# Altium PCB IPG.PcbDoc (part 7 of 10)
Units mm, origin at the board's own origin, x right, y up, seen from the top; angles counter-clockwise.
Board outline 69.6 x 90.73 mm, 10 copper layers (TOP, DHOR, DVERT, GND 1, POWER, GND 2, GND 3, AVERT, AHOR, BOT), stack 1.062 mm thick; 727 components, 391 nets, 2009 pads, 3077 vias.
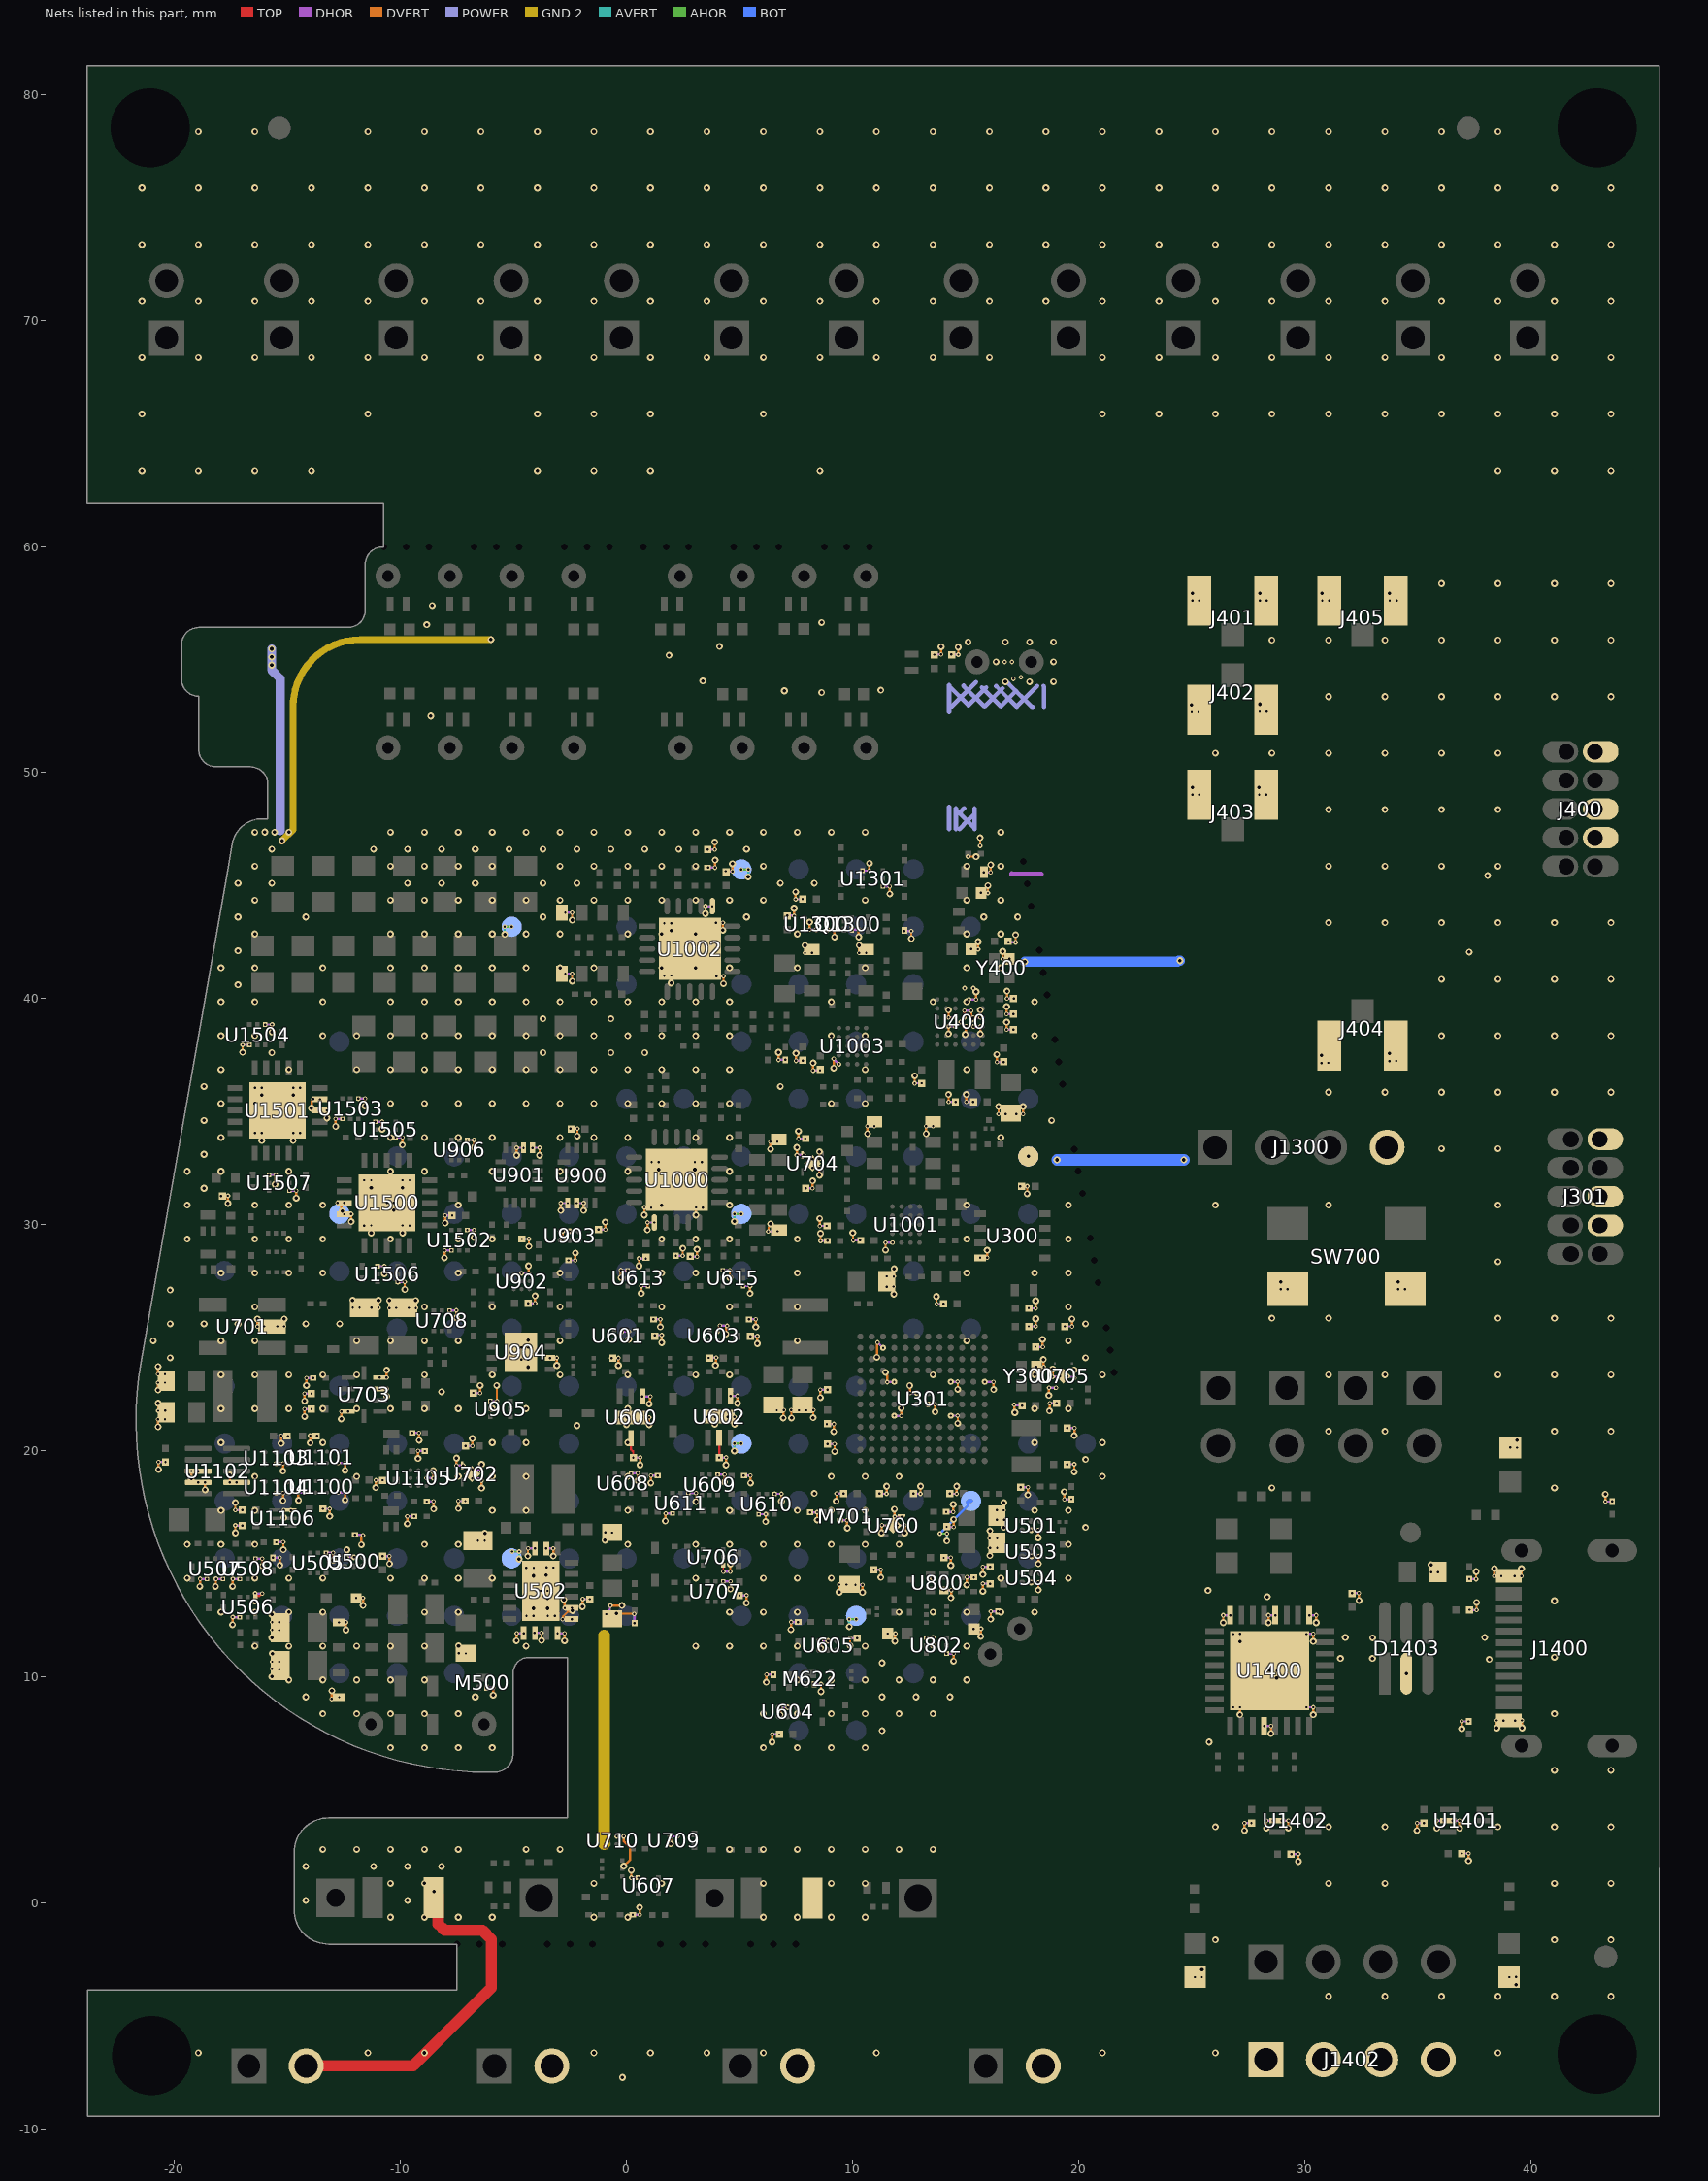
[diagram p15: the nets of this part, all layers, seen from the top]

## Via types
v1: diameter 0.203, hole 0.102, TOP to DHOR, tented top, 723 vias
v2: diameter 0.203, hole 0.102, DHOR to DVERT, tented top, 643 vias
v3: diameter 0.305/0.305/0/0.305/0.305/0.305 (per signal layer), hole 0.152, DVERT to AVERT, tented top, 439 vias
v4: diameter 0.305/0.305/0/0.305/0.305/0.305 (per signal layer), hole 0.152, DVERT to AVERT, 388 vias
v5: diameter 0.305, hole 0.152, TOP to BOT, 265 vias
v6: diameter 0.305/0.305/0.305/0.305/0/0.305/0.305/0.305/0.305/0.305 (per signal layer), hole 0.152, TOP to BOT, tented both sides, 133 vias
v7: diameter 0.305/0.305/0.305/0.305/0.305/0.305 (per signal layer), hole 0.152, DVERT to AVERT, tented top, 106 vias
v8: diameter 0.203, hole 0.102, AVERT to AHOR, tented top, 100 vias
v9: diameter 0.305, hole 0.152, TOP to BOT, tented both sides, 83 vias
v10: diameter 0.305/0/0/0.305/0/0.305/0.305/0/0/0.305 (per signal layer), hole 0.152, TOP to BOT, tented both sides, 67 vias
v11: diameter 0.305/0.305/0.305/0.305/0.305/0.305/0.305/0.305/0.305/0.305 (per signal layer), hole 0.152, TOP to BOT, tented both sides, 64 vias
v12: diameter 0.203, hole 0.102, AHOR to BOT, tented both sides, 31 vias
v13: diameter 0.203/0.203 (per signal layer), hole 0.102, DHOR to DVERT, tented top, 9 vias
v14: diameter 0.203/0.203 (per signal layer), hole 0.102, TOP to DHOR, tented top, 9 vias
v15: diameter 0.203, hole 0.102, DHOR to DVERT, tented both sides, 8 vias
v16: diameter 0.203, hole 0.102, TOP to DHOR, tented both sides, 4 vias
v17: diameter 0.305/0.305/0.305/0.305/0.305/0.305 (per signal layer), hole 0.152, DVERT to AVERT, 2 vias
v18: diameter 0.305, hole 0.152, DVERT to AVERT, tented top, 2 vias
v19: diameter 0.305/0/0/0.305/0.305/0.305/0.305/0/0/0.305 (per signal layer), hole 0.152, TOP to BOT, tented both sides, 1 vias

## Nets (pads, with @x,y where several pads share a name; then routed paths per layer and width w, separated by ;. In a path a pad name is that pad's centre, name@x,y a point inside that pad or via, vN(x,y) a via of type N, cw(c..) or ccw(c..) an arc to the next point about the centre after c; other vN are vias at no path point) (continued)
GND: C300.1 C301.2 C302.1 C303.2 C304.1 C305.1 C306.1 C307.1 C308.1 C309.1 C310.1 C311.1 C312.1 C313.2 C314.2 C315.1 C316.1 C317.2 C318.1 C319.2 C320.1 C400.2 C401.1 C402.1 C403.2 C404.1 C405.2 C406.1 C407.1 C408.1 C409.1 C410.2 C504.1 C505.1 C508.2 C509.2 C510.1 C511.1 C512.2 C514.1 C515.1 C516.1 C517.1 C600.2 C601.1 C602.1 C603.2 C604.1 C605.1 C606.1 C607.1 C700.1 C701.2 C702.2 C703.2 C704.2 C705.2 C706.1 C707.1 C708.1 C709.1 C710.1 C711.1 C712.1 C713.1 C714.1 C800.2 C801.1 C802.1 C900.1 C901.1 C902.1 C903.1 C906.1 C1003.1 C1004.1 C1005.1 C1006.1 C1018.2 C1019.1 C1020.1 C1021.2 C1100.1 C1102.1 C1109.1 C1112.1 C1114.1 C1115.1 C1117.1 C1200.1 C1215.1 C1300.1 C1302.1 C1400.2 C1401.1 C1402.1 C1404.2 C1405.1 C1406.1 C1407.1 C1500.1 C1501.1 D502.2 D503.2 D504.2 D1004.2 D1005.2 D1006.2 D1007.2 D1012.2 D1013.2 D1014.2 D1015.2 D1400.K D1401.K D1402.K D1403.2 F600.2 F601.2 J301.3 J301.5 J301.9 J400.3 J400.5 J400.9 J401.2 J401.3 J402.2 J402.3 J403.2 J403.3 J404.2 J404.3 J405.2 J405.3 J504.2 J505.2 J602.2 J605.2 J1300.4 J1400.A1 J1400.A12 J1402.1 J1402.2 J1402.3 J1402.4 L401.1 M500.2 M622.2 M701.2 Q1300.2 R301.1 R508.1 R511.2 R512.2 R517.2 R520.2 R523.2 R604.2 R610.1 R617.2 R622.1 R624.1 R627.2 R630.2 R702.2 R711.2 R804.2 R914.2 R1008.2 R1010.2 R1039.1 R1041.2 R1149.2 R1150.1 R1152.2 R1153.1 R1305.1 R1405.2 R1409.2 R1410.2 SW700.3 SW700.4 TP609.1 TP610.1 TP611.1 TP612.1 TP613.1 TP614.1 TP615.1 TP616.1 TP617.1 TP625.1 U300.4 U301.E4 U301.E9 U301.F6 U301.G7 U301.H1 U301.H4 U301.H9 U301.L10 U400.B3 U400.B4 U400.C1 U400.D3 U400.D4 U400.E3 U400.E4 U500.B1 U501.B1 U502.7 U502.8 U502.10 U502.11 U502.12 U502.18 U502.19 U502.21 U503.B1 U504.B1 U505.1 U506.1 U506.4 U507.1 U507.3 U508.1 U508.4 U600.1 U600.5 U600.7 U601.B2 U602.1 U602.5 U602.7 U603.B2 U604.B1 U605.B1 U607.1 U608.1 U609.1 U610.1 U610.4 U611.1 U611.4 U613.1 U613.4 U615.1 U615.4 U700.2 U700.5 U701.2 U702.2 U702.5 U703.3 U703.4 U703.9 U704.2 U704.5 U705.3 U705.5 U706.1 U707.1 U708.1 U709.B2 U710.B2 U800.4 U802.1 U802.4 U900.5 U900.6 U901.5 U901.6 U902.A2 U903.B1 U904.6 U904.9 U905.1 U906.1 U1000.16 U1000.21 U1001.A1 U1002.16 U1002.21 U1003.A1 U1100.1 U1100.4 U1101.4 U1102.3 U1102.4 U1102.7 U1103.2 U1104.2 U1105.A2 U1106.3 U1300.2 U1300.3 U1301.1 U1301.4 U1400.4 U1400.17 U1400.20 U1400.24 U1400.33 U1401.2 U1402.2 U1500.3 U1500.4 U1500.21 U1501.3 U1501.4 U1501.21 U1502.1 U1502.4 U1503.1 U1503.4 U1504.1 U1504.4 U1505.1 U1505.4 U1506.1 U1506.4 U1507.1 U1507.4 Y300.4 Y400.4 | length 316
  TOP w0.076: U603.B2@4.031,25.262 4.054,25.286 4.054,25.421 4.133,25.5 v1(4.133,25.534) ; U706.1@4.283,14.941 4.285,14.939 4.285,14.653 v1(4.288,14.65) ; C1021.2@4.4,45.545 C1021.2@4.4,45.63 ; C1006.1@10.332,29.308 C1006.1@10.337,29.304
  TOP w0.102: U507.1@-18.575,14.346 U507.1@-18.562,14.333 ; U507.3@-17.875,14.346 U507.3@-17.862,14.333 ; U506.4@-17.13,12.651 U506.4@-17.117,12.638 ; U508.1@-17.127,14.346 U508.1@-17.114,14.333 ; U506.1@-16.417,13.538 -16.38,13.574 -16.241,13.574 v1@-16.125,13.691 ; D504.2@-12.728,9.113 v1(-12.715,9.1) ; D503.2@-12.728,12.413 D503.2@-12.715,12.4 ; U500.B1@-12.072,15.284 U500.B1@-12.065,15.291 v1(-12.058,15.298) ; C512.2@-7.315,11.047 C512.2@-7.302,11.034 ; C512.2@-6.909,11.024 C512.2@-6.896,11.036 ; U502.7@-4.563,11.938 v1(-4.548,11.925) ; U502.8@-4.05,11.925 U502.8@-4.037,11.938 ; v1(-2.425,12.55) U502.11@-2.412,12.537 ; U502.12@-2.425,13.05 U502.12@-2.412,13.063 ; U600.5@0.2,20.55 0.2,20.058 0.3,19.958 v1(0.3,19.7) ; v1(4.1,19.7) 4.102,19.7 4.102,20.575 U602.5@4.1,20.575 ; v1(9.398,37.1) U1003.A1@9.4,37.1 ; v1(14.793,38.968) 14.793,38.948 14.953,38.788 U400.D4@14.953,38.768 ; v1(14.949,39.466) 14.951,39.464 14.951,39.17 14.949,39.168 U400.D3@14.953,39.168
  TOP w0.5: J504.2@-14.173,-7.214 -9.432,-7.214 -5.982,-3.763 -5.982,-1.613 -6.375,-1.219 -8.038,-1.219 -8.331,-0.926 -8.331,0.327 v11(-8.509,0.506)
  DVERT w0.102: v3(-20.725,21.058) v2(-20.725,21.389) ; v3(-20.725,22.684) v2(-20.725,23.014) ; v2(-20.725,23.391) v3(-20.725,23.722) ; v2(-20.723,21.767) v3(-20.723,22.098) ; v3(-20.703,19.171) v2(-20.703,19.502) ; v3(-19.253,18.771) v2(-19.253,19.102) ; v3@-18.874,14.023 -18.869,14.028 -18.869,14.329 v2(-18.863,14.335) ; v3(-18.647,18.271) v2(-18.647,18.602) ; v3@-18.174,14.023 -18.169,14.028 -18.169,14.329 v2(-18.163,14.335) ; v3(-17.634,30.947) v2(-17.634,31.278) ; v2(-17.553,18.598) v3(-17.553,18.929) ; v3@-17.43,12.328 -17.424,12.333 -17.424,12.634 v2(-17.418,12.64) ; v3@-17.427,14.023 -17.421,14.028 -17.421,14.329 v2(-17.416,14.335) ; v3(-17.306,16.368) v2(-17.306,16.699) ; v2(-17.306,17.372) v3(-17.306,17.703) ; v3(-16.985,37.626) v2(-16.985,37.957) ; v3@-16.438,13.381 -16.432,13.386 -16.432,13.687 v2(-16.427,13.693) ; v2(-16.33,25.498) v3(-16.33,25.829) ; v3(-16.138,33.725) v2(-16.138,34.056) ; v3(-16.138,35.725) v2(-16.138,36.056) ; v2(-16.111,15.235) -16.107,15.229 -16.107,14.928 v3@-16.101,14.923 ; v3(-15.686,12.762) -15.68,12.757 -15.68,12.425 v2(-15.675,12.42) ; v3@-15.684,11.757 -15.68,11.76 -15.68,12.069 v2(-15.677,12.072) ; v3@-15.682,10.03 v2(-15.682,10.352) ; v3(-15.679,38.526) v2(-15.679,38.857) ; v2(-15.674,10.669) v3(-15.674,11.024) ; v3(-15.553,31.785) -15.533,31.804 -15.533,32.184 v2(-15.514,32.204) ; v2(-15.341,15.27) -15.337,15.264 -15.337,14.964 v3@-15.332,14.958 ; v3(-15.28,20.326) v2(-15.28,20.657) ; v3(-15.197,17.796) v2(-15.197,18.127) ; v3(-15.197,19.103) v2(-15.197,19.433) ; v2(-15.186,15.955) -15.182,15.95 -15.182,15.649 v3@-15.177,15.643 ; v3(-15.162,17.039) v2(-15.162,17.37) ; v2(-15.147,25.5) v3(-15.147,25.831) ; v3(-14.748,33.725) v2(-14.748,34.056) ; v3(-14.748,35.725) v2(-14.748,36.056) ; v3(-14.614,31.173) v2(-14.614,31.504) ; v2(-14.553,18.148) -14.534,18.129 -14.534,17.826 v3(-14.514,17.806) ; v3(-14.243,21.515) v2(-14.243,21.846) ; v3(-14.243,22.201) v2(-14.243,22.532) ; v3(-14.164,22.889) v2(-14.164,23.22) ; v3(-13.997,20.341) v2(-13.997,20.672) ; v3(-13.945,35.154) -13.929,35.169 -13.929,35.458 -13.861,35.526 v2(-13.861,35.554) ; v3(-13.255,34.723) v2(-13.255,35.054) ; v3(-13.134,17.101) v2(-13.134,17.432) ; v2(-13.048,9.017) -13.041,9.024 -13.041,9.391 v3@-13.027,9.406 ; v2@-12.986,15.491 -12.981,15.485 -12.981,15.184 v3@-12.975,15.179 ; v3(-12.87,34.349) v2(-12.87,34.68) ; v2(-12.79,30.967) -12.79,30.951 -12.618,30.779 -12.618,30.639 v3(-12.579,30.6) ; v3(-12.619,21.405) v2(-12.619,21.736) ; v3(-12.447,17.821) v2(-12.447,18.152) ; v3(-12.447,19.128) v2(-12.447,19.458) ; v2@-12.418,12.41 -12.412,12.405 -12.412,12.104 v3@-12.407,12.098 ; v2@-12.374,15.278 v3@-12.374,15.605 ; v3(-12.18,30.136) v2(-12.18,30.467) ; v2(-12.114,26.325) v3(-12.114,26.656) ; v3@-11.724,15.872 -11.73,15.877 -11.73,16.18 -11.659,16.251 v2(-11.659,16.256) ; v2@-11.66,13.491 -11.655,13.486 -11.655,13.185 v3@-11.649,13.179 ; v3(-11.564,35.249) v2(-11.564,35.58) ; v3(-11.295,29.636) v2(-11.295,29.967) ; v3(-11.295,31.636) v2(-11.295,31.967) ; v3(-11.095,18.368) v2(-11.095,18.698) ; v2(-10.975,26.323) v3(-10.975,26.654) ; v3(-10.815,34.229) v2(-10.815,34.56) ; v3(-10.713,27.834) v2(-10.713,28.165) ; v3(-10.612,22.405) v2(-10.612,22.736) ; v2(-10.612,23.232) v3(-10.612,23.563) ; v2(-10.49,15.341) -10.486,15.335 -10.486,15.034 v3@-10.48,15.029 ; v2(-10.488,26.312) v3(-10.488,26.643) ; v3(-10.295,30.636) v2(-10.295,30.967) ; v3(-9.915,33.529) v2(-9.915,33.86) ; v3(-9.905,29.636) v2(-9.905,29.967) ; v3(-9.905,31.636) v2(-9.905,31.967) ; v3(-9.813,27.134) v2(-9.813,27.465) ; v3(-9.704,16.767) v2(-9.704,17.098) ; v2(-9.324,26.314) v3(-9.324,26.645) ; v3(-9.225,19.66) v2(-9.225,19.991) ; v3(-9.179,20.46) v2(-9.179,20.791) ; v2(-8.547,18.785) v3(-8.547,19.116) ; v3(-8.534,17.428) v2(-8.534,17.759) ; v3(-8.048,28.533) v2(-8.048,28.864) ; v3(-8.018,30.075) v2(-8.018,30.406) ; v2(-7.526,19.345) v3(-7.526,19.676) ; v3(-7.524,25.879) v2(-7.524,26.21) ; v3(-7.438,17.447) v2(-7.438,17.778) ; v3@-7.427,11.342 -7.426,11.341 v2(-7.424,11.035) v2(-7.424,11.035) ; v2(-6.82,20.208) v3(-6.82,20.538) ; v3(-6.742,29.433) v2(-6.742,29.764) ; v3(-6.742,33.421) v2(-6.742,33.751) ; v2(-6.477,22.556) v3(-6.477,22.887) ; v3(-6.411,18.345) v2(-6.411,18.676) ; v2(-6.411,19.068) v3(-6.411,19.399) ; v2@-6.271,16.021 -6.266,16.027 -6.266,16.327 v3@-6.26,16.333 ; v3(-5.897,9.188) v2(-5.897,9.518) ; v3(-5.74,22.885) -5.733,22.878 -5.733,22.203 v2(-5.726,22.196) ; v3@-4.865,11.617 -4.859,11.623 -4.859,11.923 v2(-4.854,11.929) ; v3(-4.858,33.073) v2(-4.858,33.404) ; v3@-4.365,15.367 -4.359,15.373 -4.359,15.673 v2(-4.354,15.679) ; v3(-4.345,23.7) v2(-4.345,24.03) ; v2(-4.345,24.56) v3(-4.345,24.891) ; v2(-4.333,27.843) v3(-4.333,28.174) ; v3(-4.318,29.041) v2(-4.318,29.372) ; v2@-4.121,12.696 -4.116,12.702 -4.116,13.002 v3@-4.11,13.008 ; v3@-4.111,14.493 -4.111,14.825 v2(-4.106,14.829) ; v2(-4.044,26.519) v3(-4.044,26.85) ; v3(-3.848,33.073) v2(-3.848,33.404) ; v2@-3.767,11.943 -3.761,11.937 -3.761,11.636 v3@-3.755,11.631 ; v3@-3.55,14.526 -3.544,14.531 -3.544,14.832 v2(-3.539,14.838) ; v2(-3.495,13.804) -3.491,13.798 -3.491,13.498 v3@-3.485,13.492 ; v3@-3.49,13.008 -3.484,13.002 -3.484,12.702 v2(-3.479,12.696) ; v2@-3.246,15.679 -3.241,15.673 -3.241,15.373 v3@-3.235,15.367 ; v3(-3.084,23.775) v2(-3.084,24.106) ; v3(-2.906,30.627) v2(-2.906,30.958) ; v2(-2.824,12.55) -2.804,12.57 -2.804,12.675 -2.592,12.887 -2.427,12.887 v3(-2.389,12.925) ; v3(-2.82,29.385) v2(-2.82,29.716) ; v3(-2.772,13.407) -2.748,13.383 -2.748,13.066 v2(-2.729,13.046) ; v2(-2.745,11.929) -2.741,11.923 -2.741,11.623 v3@-2.735,11.617 ; v3(-2.406,40.773) v2(-2.406,41.104) ; v3(-2.406,43.473) v2(-2.406,43.804) ; v2(-2.264,28.419) v3(-2.264,28.749) ; v3(-2.173,33.923) v2(-2.173,34.253) ; v3@-1.947,13.129 -1.941,13.135 -1.941,13.435 v2(-1.935,13.441) ; v3(-1.896,30.627) v2(-1.896,30.958) ; v3@-0.95,16.071 -0.945,16.077 -0.945,16.378 v2(-0.939,16.383) ; v2(-0.94,29.785) v3(-0.94,30.116) ; v2(-0.711,13.154) v3(-0.199,13.154) ; v3(-0.439,12.801) -0.431,12.793 0.332,12.793 v2(0.339,12.786) ; v3(-0.359,23.773) v2(-0.359,24.104) ; v3(-0.247,27.658) v2(-0.247,27.989) ; v2(-0.129,2.943) -0.129,2.744 0.165,2.45 0.165,1.909 v7(-0.12,1.624) ; v3(0.005,21.148) v2(0.005,21.479) ; v3(0.104,24.936) v2(0.104,25.266) ; v2(0.211,1.109) v7(0.211,1.44) ; v3(0.502,18.673) v2(0.502,19.004) ; v3(0.554,28.174) v2(0.554,28.505) ; v2(0.583,-0.531) v7(0.583,-0.2) ; v3(0.605,19.373) v2(0.605,19.704) ; v3(0.653,26.958) v2(0.653,27.289) ; v3(0.789,30.431) v2(0.789,30.761) ; v3(0.927,29.769) v2(0.927,30.1) ; v3(1.005,21.148) v2(1.005,21.479) ; v3(1.005,22.073) 1.041,22.11 1.041,22.384 v2(1.061,22.404) ; v3(1.077,18.571) v2(1.077,18.902) ; v3(1.421,32.437) v2(1.421,32.768) ; v3(1.499,25.48) v2(1.499,25.81) ; v3(1.561,24.786) v2(1.561,25.116) ; v3@1.725,16.918 1.73,16.924 1.73,17.225 v2(1.736,17.23) ; v7(1.955,2.612) v2(1.955,2.943) ; v3(1.979,40.692) v2(1.979,41.023) ; v3(1.979,43.004) v2(1.979,43.334) ; v2(2.489,28.627) v3(2.489,28.957) ; v3(3.024,32.437) v2(3.024,32.768) ; v3(3.071,17.753) 3.072,17.754 v2(3.073,18.126) v2(3.073,18.126) ; v3(3.075,30.431) v2(3.075,30.761) ; v2(3.123,28.578) v3(3.123,28.909) ; v3(3.495,43.764) v2(3.495,44.094) ; v3(3.905,21.173) v2(3.905,21.504) ; v2(3.905,46.596) v3(3.905,46.927) ; v2(3.92,45.796) v3(3.92,46.127) ; v3(3.937,23.783) 3.952,23.798 3.952,24.097 v2(3.968,24.112) ; v3(4.265,43.029) v2(4.265,43.36) ; v3(4.291,40.667) v2(4.291,40.998) ; v3(4.338,18.614) v2(4.338,18.945) ; v3(4.405,19.373) v2(4.405,19.704) ; v3(4.406,25.161) 4.406,25.455 4.447,25.496 v2(4.447,25.523) ; v3(4.568,27.657) v2(4.568,27.988) ; v2@4.597,14.657 4.594,14.66 4.594,14.96 v3@4.597,14.962 ; v3@4.598,13.909 v2@4.598,14.218 ; v2(4.687,45.635) v3(4.687,45.966) ; v3(4.78,21.173) v2(4.78,21.504) ; v3(4.905,22.098) v2(4.905,22.429) ; v3@5.313,13.291 5.314,13.292 5.314,13.607 v2(5.315,13.608) ; v3(5.468,26.957) v2(5.468,27.288) ; v3(5.485,18.573) v2(5.485,18.904) ; v3(5.721,25.48) v2(5.721,25.81) ; v3(5.791,24.742) v2(5.791,25.073) ; v3(6.156,16.865) v2(6.156,17.196) ; v3@6.188,9.783 6.193,9.788 6.193,10.089 v2(6.199,10.095) ; v2(6.267,29.704) 6.287,29.724 6.287,29.893 6.374,29.98 v3(6.374,30.035) ; v3(6.367,33.342) v2(6.367,33.673) ; v3@6.447,7.141 6.449,7.143 6.449,7.45 v2(6.451,7.452) ; v2(6.726,37.291) v3(6.726,37.622) ; v2(6.809,8.649) 6.812,8.646 6.812,8.34 v3@6.816,8.337 ; v3(6.856,17.765) v2(6.856,18.096) ; v3(6.934,21.453) 6.95,21.468 6.95,21.786 v2(6.965,21.802) ; v3@7.279,12.115 7.283,12.119 7.283,12.42 v2(7.287,12.424) ; v2(7.286,21.795) 7.295,21.786 7.295,21.459 v3(7.305,21.449) ; v2(7.413,43.669) v3(7.413,44) ; v2(7.487,44.395) v3(7.487,44.726) ; v2(7.499,37.251) v3(7.499,37.582) ; v2(7.537,33.084) v3(7.537,33.414) ; v2(7.61,33.809) v3(7.61,34.139) ; v2(7.899,42.026) v3(7.899,42.357) ; v2(8.103,43.05) v3(8.103,43.381) ; v2(8.235,31.609) v3(8.235,31.939) ; v3(8.258,21.461) 8.264,21.467 8.264,21.789 v2(8.27,21.795) ; v2(8.26,36.822) v3(8.26,37.152) ; v2@8.431,17.279 8.436,17.273 8.436,16.973 v3@8.442,16.967 ; v3(8.535,32.186) v2(8.535,32.516) ; v2(8.535,32.896) v3(8.535,33.227) ; v2(8.549,29.943) v3(8.549,30.273) ; v3(8.578,22.352) 8.579,22.353 v2(8.58,22.695) v2(8.58,22.695) ; v2(8.584,29.282) v3(8.584,29.613) ; v3@8.6,11.275 v2(8.6,11.582) ; v3(8.606,9.346) v2(8.606,9.677) ; v2(9.17,21.183) 9.173,21.179 9.173,20.877 v3@9.177,20.874 ; v3(9.169,36.932) v2(9.169,37.338) ; v3(9.201,42.723) v2(9.201,43.054) ; v2(9.203,20.302) 9.207,20.296 9.207,19.996 v3@9.213,19.99 ; v3@9.285,17.792 9.291,17.798 9.291,18.098 v2(9.296,18.104) ; v3@9.415,13.773 v2(9.415,14.079) ; v2(9.754,16.921) 9.759,16.915 9.759,16.614 v3@9.765,16.609 ; v3@9.896,11.406 v2(9.896,11.713) ; v3@10.019,29.618 10.025,29.613 10.025,29.312 v2(10.031,29.306) ; v3(10.276,42.733) v2(10.276,43.064) ; v2(10.299,42.026) v3(10.299,42.357) ; v3@10.447,13.762 v2(10.447,14.07) ; v3(10.662,34.027) v2(10.662,34.358) ; v2(10.748,45.66) v3(10.748,45.99) ; v3(11.074,24.13) 11.089,24.145 11.089,24.776 v2(11.104,24.79) ; v2(11.25,14.739) 11.255,14.733 11.255,14.432 v3@11.26,14.427 ; v3@11.285,16.392 11.291,16.398 11.291,16.698 v2(11.296,16.704) ; v3(11.454,23.464) 11.454,23.409 11.539,23.325 11.539,23.039 v2(11.543,23.035) ; v3(11.462,28.877) v2(11.462,29.208) ; v2@11.504,18.096 11.509,18.102 11.509,18.402 v3@11.515,18.408 ; v3(11.648,44.637) v2(11.648,44.968) ; v3@11.82,26.957 v2@11.82,27.258 ; v2(11.825,27.709) 11.831,27.715 11.831,28.016 v3@11.836,28.021 ; v3@11.86,17.396 11.866,17.39 11.866,17.09 v2(11.871,17.084) ; v3@11.876,11.603 11.886,11.612 11.886,11.903 v2(11.895,11.912) ; v3(12.151,21.886) 12.153,21.884 12.153,21.548 v2@12.154,21.546 ; v2@12.304,16.704 12.309,16.698 12.309,16.398 v3@12.315,16.392 ; v3@12.535,22.858 12.538,22.855 12.538,22.554 v2(12.542,22.551) ; v3(12.601,42.658) v2(12.601,42.989) ; v2(12.753,36.256) v3(12.753,36.587) ; v2(13.005,18.096) 13.009,18.102 13.009,18.402 v3@13.015,18.408 ; v3(13.262,34.027) v2(13.262,34.358) ; v2(13.57,11.737) 13.574,11.733 13.574,11.423 v3@13.579,11.419 ; v2@13.654,22.054 13.659,22.048 13.659,21.748 v3@13.665,21.742 ; v3@13.713,26.802 13.718,26.797 13.718,26.496 v2(13.724,26.49) ; v2@13.919,55.223 v3(13.92,55.568) ; v2(14.251,35.432) v3(14.251,35.763) ; v3(14.251,38.441) v2(14.251,38.772) ; v2(14.251,39.164) v3(14.251,39.495) ; v2@14.343,15.267 14.349,15.262 14.349,14.961 v3@14.354,14.955 ; v3@14.359,13.518 14.367,13.526 14.367,13.82 v2(14.374,13.828) ; v2(14.453,17.293) 14.457,17.299 14.457,17.6 v3@14.463,17.605 ; v3(14.469,16.959) 14.473,16.956 14.473,16.626 v2(14.476,16.623) ; v3@14.479,10.72 v2(14.48,11.028) ; v2(14.605,18.096) 14.609,18.102 14.609,18.402 v3@14.615,18.408 ; v2@14.654,21.554 14.659,21.548 14.659,21.248 v3@14.665,21.242 ; v2@14.654,23.054 14.659,23.048 14.659,22.748 v3@14.665,22.742 ; v2(14.68,55.22) v7(14.68,55.55) ; v3(14.99,38.417) 15.016,38.443 15.016,38.756 v2(15.035,38.776) ; v2(15.036,35.432) v3(15.036,35.763) ; v3@15.055,14.092 15.059,14.096 15.059,14.403 v2(15.064,14.407) ; v15(15.112,46.284) v7(15.468,46.284) ; v2(15.254,39.462) 15.265,39.451 15.265,39.113 v3(15.275,39.102) ; v3@15.454,40.306 15.456,40.304 v3@15.456,40.208 ; v2@15.456,39.971 v2@15.466,39.961 ; v2(15.466,39.967) v3(15.466,40.306) ; v2(15.56,42.185) v3(15.56,42.516) ; v15(15.646,46.761) v7(15.646,47.117) ; v3(15.654,38.441) v2(15.654,38.772) ; v2(15.654,39.164) v3(15.654,39.495) ; v3@15.68,11.813 15.684,11.817 15.684,12.123 v2(15.688,12.128) ; v2(15.766,14.86) 15.768,14.858 15.768,14.551 v3@15.77,14.549 ; v3@15.771,13.813 v2@15.771,14.121 ; v2(15.955,28.535) 15.959,28.541 15.959,28.841 v3@15.964,28.847 ; v2(15.991,44.675) v3(15.991,45.005) ; v2(16.063,16.119) 16.071,16.127 16.071,16.424 v3@16.084,16.437 ; v3@16.082,15.39 v2@16.082,15.696 ; v2(16.115,45.589) v3(16.115,45.92) ; v3@16.119,12.577 16.121,12.579 16.121,12.893 v2(16.122,12.895) ; v2(16.237,23.047) 16.243,23.041 16.243,22.74 v3@16.25,22.733 ; v2(16.387,37.197) v3(16.387,37.528) ; v2(16.463,34.896) v3(16.463,35.226) ; v2(16.646,41.757) v3(16.646,42.088) ; v2(16.695,17.365) 16.696,17.366 16.696,17.68 v3@16.698,17.682 ; v3@16.698,16.634 16.702,16.639 16.702,16.941 v2(16.707,16.946) ; v2(16.819,38.629) v3(16.819,38.96) ; v2(16.819,39.315) v3(16.819,39.646) ; v2(16.834,40.001) v3(16.834,40.332) ; v2(17.153,22.035) 17.168,22.021 17.168,21.706 v3(17.182,21.691) ; v2(17.215,42.49) v3(17.215,42.821) ; v2(17.548,34.896) v3(17.548,35.226) ; v3(17.729,31.372) v2(17.729,31.703) ; v3@17.762,18.075 17.766,18.078 17.766,18.379 v2(17.769,18.382) ; v2(18.11,26.295) 18.111,26.296 18.111,26.609 v3@18.113,26.61 ; v2@18.112,25.505 v3@18.112,25.809 ; v2(18.215,16.494) 18.218,16.491 18.218,16.181 v3@18.22,16.178 ; v2(18.221,14.175) 18.223,14.174 18.223,13.867 v3@18.225,13.865 ; v3@18.229,15.022 18.233,15.026 18.233,15.329 v2(18.237,15.332) ; v3@18.413,24.91 18.415,24.908 18.415,24.594 v2(18.422,24.587) ; v3@18.448,24.02 18.453,24.014 18.453,23.711 v2(18.459,23.706) ; v3@18.691,22.476 18.694,22.479 18.694,22.78 v2(18.696,22.782) ; v3@18.721,21.786 18.724,21.789 18.724,22.092 v2(18.726,22.095) ; v2(18.844,23.27) 18.852,23.278 18.852,23.589 v3@18.864,23.602 ; v3@19.372,18.166 19.374,18.163 19.374,17.852 v2(19.377,17.849) ; v3@19.713,25.81 19.716,25.807 19.716,25.502 v2(19.719,25.499) ; v3@19.814,19.093 v2(19.814,19.408) ; v3@19.815,20.692 19.818,20.695 19.818,21.004 v2(19.821,21.007) ; v3@19.816,23.59 19.816,23.224 v2(19.821,23.22) ; v2(25.007,52.669) v3(25.007,53) ; v2(25.042,49.018) v3(25.042,49.349) ; v2(25.042,57.608) v3(25.042,57.939) ; v2(25.461,-3.29) v3(25.461,-2.959) ; v3(26.406,12.394) v2(26.406,12.725) ; v3(27.143,8.32) v2(27.143,8.651) ; v3(27.143,11.566) v2(27.143,11.897) ; v3(27.345,3.198) v2(27.345,3.528) ; v2(27.992,49.018) v3(27.992,49.349) ; v2(28.017,52.697) v3(28.017,53.027) ; v2(28.027,57.603) v3(28.027,57.934) ; v3(28.308,3.305) v2(28.308,3.636) ; v3(28.406,12.394) v2(28.406,12.725) ; v3(28.516,7.492) v2(28.516,7.823) ; v3(28.766,9.943) v2(28.766,10.274) ; v2(28.947,27.14) v3(28.947,27.471) ; v3(29.286,3.305) v2(29.286,3.636) ; v3(29.728,1.832) v2(29.728,2.163) ; v3(30.389,8.32) v2(30.389,8.651) ; v3(30.389,11.566) v2(30.389,11.897) ; v3(30.516,12.394) v2(30.516,12.725) ; v2(30.748,37.156) v3(30.748,37.487) ; v2(30.783,57.608) v3(30.783,57.939) ; v3(32.411,13.374) v2(32.411,13.705) ; v2(33.758,37.241) v3(33.758,37.572) ; v2(33.768,57.603) v3(33.768,57.934) ; v2(34.147,27.14) v3(34.147,27.471) ; v3(34.978,3.201) v2(34.978,3.532) ; v2(35.6,14.626) v3(35.6,14.957) ; v3(35.854,3.303) v2(35.854,3.634) ; v3(36.854,3.301) v2(36.854,3.632) ; v3(36.957,7.7) v2(36.957,8.031) ; v3(37.257,1.858) v2(37.257,2.188) ; v2(37.592,14.321) v3(37.592,14.652) ; v2(37.611,12.959) v3(37.611,13.29) ; v2(38.399,14.459) v3(38.399,14.79) ; v3(38.506,7.738) v2(38.506,8.069) ; v3(39.361,-3.613) v2(39.361,-3.282) ; v2(39.411,20.138) v3(39.411,20.469) ; v2(39.599,14.457) v3(39.599,14.788) ; v3(39.624,7.736) v2(39.624,8.067) ; v2(43.307,17.751) v3(43.307,18.082)